# Altium PCB keyboard_main.PcbDoc (part 2 of 2)
Units mil, origin at the board's own origin, x right, y up, seen from the top; angles counter-clockwise.
Board outline 2610 x 2072.12 mil, 4 copper layers (Top Layer, GND, PWR, Bottom Layer), stack 64.646 mil thick; 116 components, 128 nets, 523 pads, 482 vias.
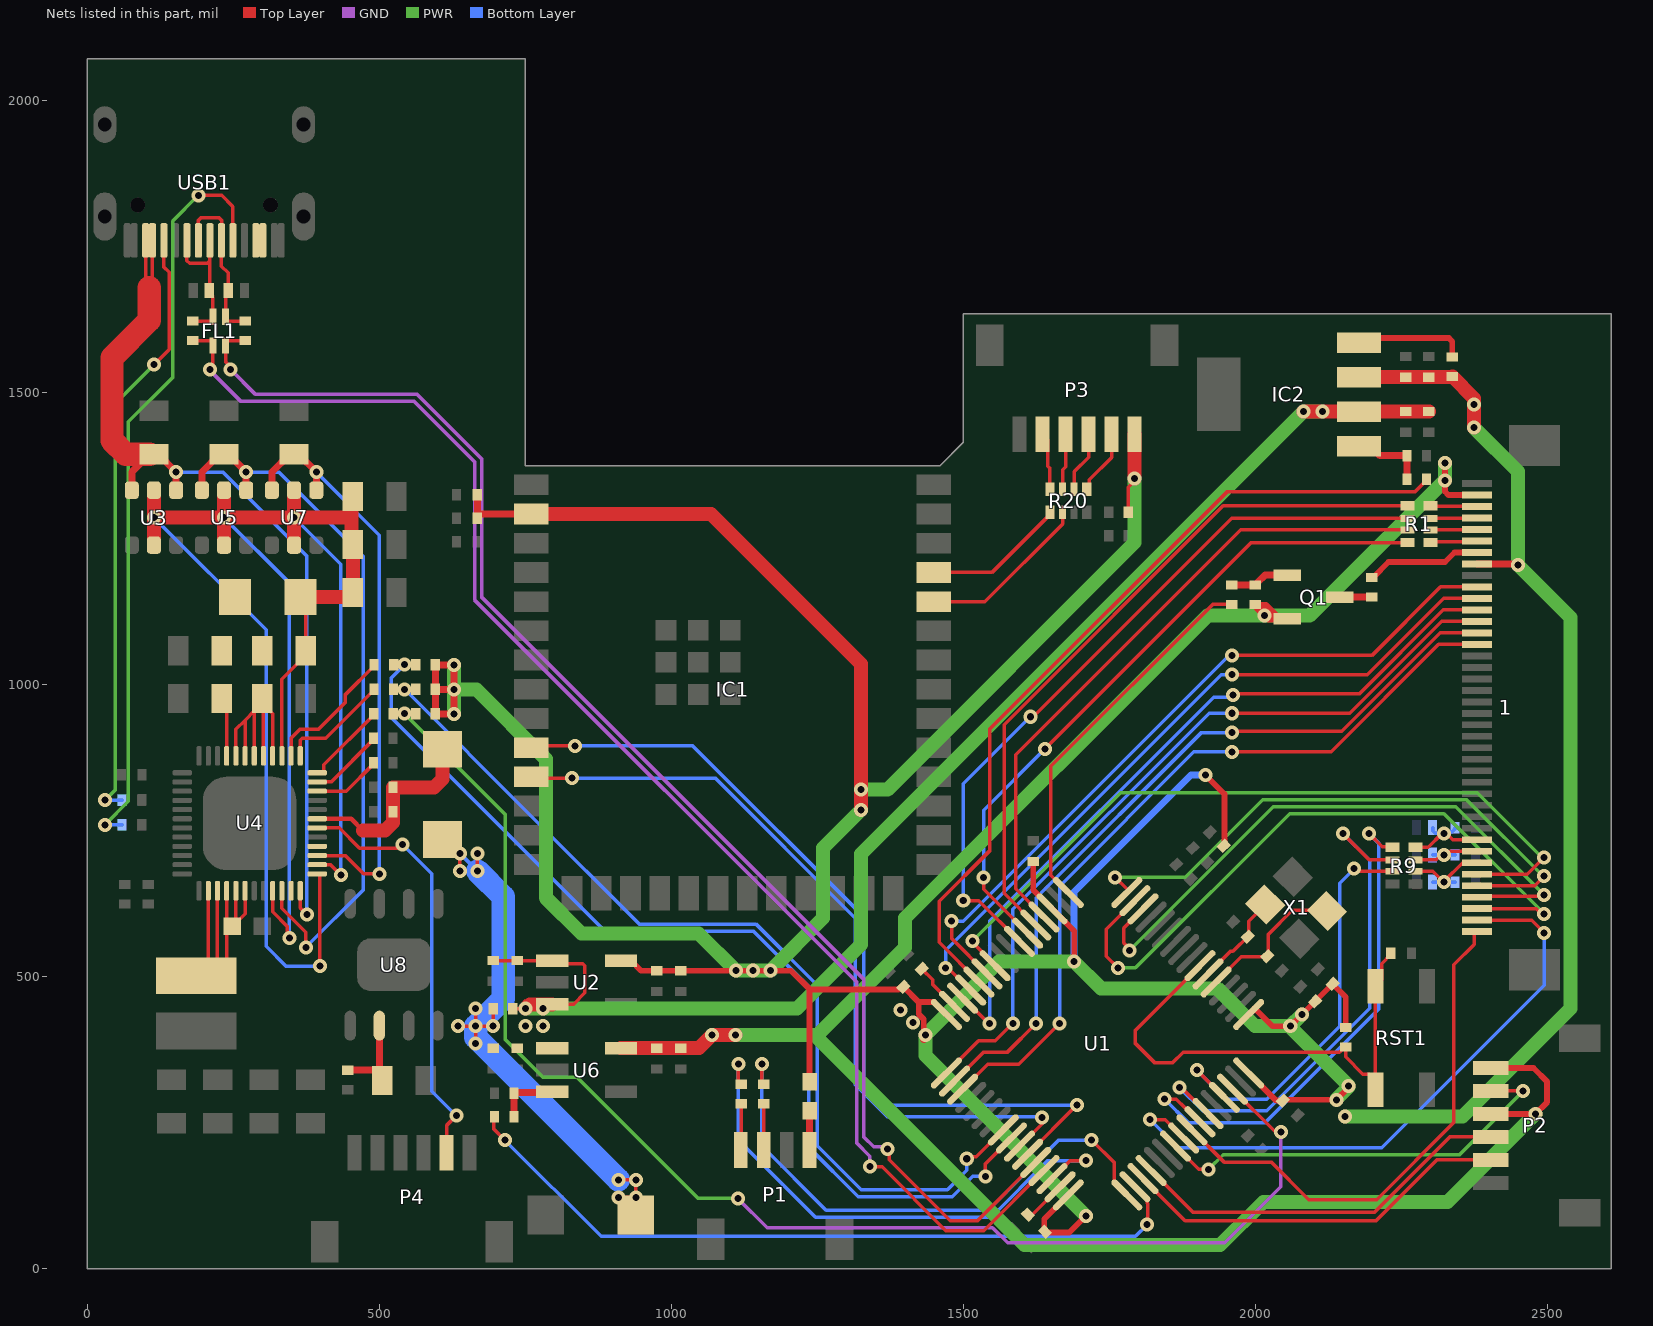
[diagram p4: the nets of this part, all layers, seen from the top]

## Via types
v1: diameter 24, hole 12, Top Layer to Bottom Layer, tented both sides, 479 vias
v2: diameter 24, hole 12, Top Layer to Bottom Layer, 3 vias

## Nets (pads, with @x,y where several pads share a name; then routed paths per layer and width w, separated by ;. In a path a pad name is that pad's centre, name@x,y a point inside that pad or via, vN(x,y) a via of type N, cw(c..) or ccw(c..) an arc to the next point about the centre after c; other vN are vias at no path point) (continued)
KEY_SEG1: 1.31 U1.27 | length 1252.7
  Top Layer w6: v1(1480,595) 1480,565.2 1540.5,504.71 U1.27@1540.7,504.71 ; v1(1960,1050) 2200,1050 2317.44,1167.44 1.31@2380,1167.44
  Bottom Layer w6: v1(1480,595) 1500,595 1948.65,1043.65 1948.78,1043.65 1955.13,1050 v1(1960,1050)
KEY_SEG2: 1.30 U1.29 | length 1248.3
  Top Layer w6: v1(1470,515) 1473.37,515 1511.5,476.87 U1.29@1512.86,476.87 ; v1(1960,1017) 2192,1017 2322.76,1147.76 1.30@2380,1147.76
  Bottom Layer w6: v1(1470,515) 1470,545 1942,1017 v1(1960,1017)
KEY_SEG3: 1.29 U1.30 | length 1294.7
  Top Layer w6: U1.30@1498.94,462.94 1500.3,462.94 1543.24,420 v1(1545,420) ; v1(1961.85,982.15) 1963.7,984 2178.09,984 2322.16,1128.07 1.29@2380,1128.07
  Bottom Layer w6: v1(1545,420) 1545,595 1928.71,978.71 1958.41,978.71 v1(1961.85,982.15)
KEY_SEG4: 1.28 U1.33 | length 1343.5
  Top Layer w6: U1.33@1471.1,334.89 1526.21,390 1555,390 v1(1585,420) ; v1(1960,951) 2162.06,951 2319.44,1108.39 1.28@2380,1108.39
  Bottom Layer w6: v1(1585,420) 1585,615 1921,951 v1(1960,951)
KEY_SEG5: 1.27 U1.34 | length 1338.9
  Top Layer w6: U1.34@1485.02,320.97 1534.05,370 1575,370 v1(1625,420) ; v1(1960,918) 1962,920 2148.03,920 2316.73,1088.7 1.27@2380,1088.7
  Bottom Layer w6: v1(1625,420) 1625,635 1908,918 v1(1960,918)
KEY_SEG6: 1.26 U1.35 | length 1334.3
  Top Layer w6: U1.35@1498.94,307.06 1541.88,350 1595,350 v1(1665,420) ; v1(1960,885) 2130,885 2314.02,1069.02 1.26@2380,1069.02
  Bottom Layer w6: v1(1665,420) 1665,655 1895,885 v1(1960,885)
LCD_BLK: R4.1 U1.17 | length 653.3
  Top Layer w6: U1.17@1679.89,643.9 1650,673.79 1650,860 1927.29,1137.29 R4.1@1960,1137.29
LCD_EN: R14.1 U1.50 | length 1299.7
  Top Layer w6: R14.1@697.29,260 696.24,258.95 696.24,238.76 v1(715,220) ; U1.50@1794.03,140.02 1815.72,118.34 1815,117.62 1815,111.73 1815.72,111.01 1815.72,75.72 v1(1815,75)
  Bottom Layer w6: v1(715,220) 880,55 1795,55 v1(1815,75)
LED1/SCL: R31.2 U4.26 | length 233.5
  Top Layer w6: U4.26@348.74,878 348.74,908.1 363.82,923.18 395.18,923.18 442,970 442,983.15 491.03,1032.18 R31.2@491.03,1034.15
LED2/SDA: R29.2 U4.25 | length 190
  Top Layer w6: U4.25@364.49,878 364.49,904.49 368,908 408,908 485.16,985.16 485.7,985.16 490.57,990.04 R29.2@490.57,992.01
LED3/IRQ: R32.2 U4.24 | length 146.9
  Top Layer w6: U4.24@393.43,849.06 403.46,849.06 404.8,850.39 404.8,862.54 490.29,948.03 R32.2@490.29,950
LED4/I2C: R24.1 U4.23 | length 128.7
  Top Layer w6: U4.23@393.43,833.32 417.29,833.32 490,906.03 R24.1@490,908
LED5/CSET: R23.1 U4.22 | length 117.8
  Top Layer w6: U4.22@393.43,817.57 443.54,817.57 490,864.03 R23.1@490,866
LED_EN: R27.1 U1.28 | length 1423.4
  Top Layer w6: U1.28@1526.78,490.78 1459,558.56 1459,629 1545,715 1545,923.35 1951.65,1330 2273.28,1330 2293.37,1350.1 R27.1@2293.37,1352.07
LEDA: 1.34 R7.1 | length 197.8
  Top Layer w10: R7.1@2200,1183.46 2201.97,1183.46 2228.5,1210 2325,1210 2341.5,1226.5 1.34@2380,1226.5
LEFT_A: 1.2 U1.56 | length 1094.5
  Top Layer w6: v1(1820,255) 1846.08,255 U1.56@1877.54,223.54 ; 1.2@2380,596.57 2473.43,596.57 v1(2495,575)
  Bottom Layer w6: v1(1820,255) 1868,207 2217,207 2495,485 v1(2495,575)
LEFT_B: 1.1 U1.57 | length 897.4
  Top Layer w6: U1.57@1891.46,237.45 1946.58,182.33 2027.67,182.33 2092,118 2208,118 2340,250 2340,520 2375,555 2375,573.98 2377.91,576.89 1.1@2380,576.89
LEFT_KEY: 1.6 U1.26 | length 1315.3
  Top Layer w6: v1(1516.22,561.22) 1516.22,558.38 1554.62,519.98 U1.26@1554.62,518.62 ; 1.6@2380,675.32 2466.08,675.32 v1(2495,704.24)
  PWR w6: v1(1516.22,561.22) 1770,815 2380,815 2490.76,704.24 v1(2495,704.24)
Net1_7: 1.7 C10.2 D3.1 R9.6 | length 166.3
  Top Layer w6: R9.6@2274.37,680.32 2304.39,680.32 v1(2323.03,661.67) 2323.03,662.74 2355.29,695 1.7@2380,695
  Bottom Layer w6: D3.1@2303.78,661.67 v1(2323.03,661.67) C10.2@2342.29,661.67
Net1_8: 1.8 C9.2 D2.1 R9.7 | length 150.2
  Top Layer w6: R9.7@2274.37,700 2309.83,700 2318.16,708.33 v1(2323.03,708.33) 2327.9,708.33 2334.26,714.68 1.8@2380,714.68
  Bottom Layer w6: D2.1@2303.78,708.33 v1(2323.03,708.33) C9.2@2342.29,708.33
Net1_9: 1.9 C8.2 D1.1 R9.8 | length 170.5
  Top Layer w6: R9.8@2274.37,721.65 2296.65,721.65 2320,745 2327.9,745 2338.53,734.37 1.9@2380,734.37
  Bottom Layer w6: D1.1@2303.78,755 2303.78,750.08 2308.65,745.2 2322.83,745.2 v1(2323.03,745) 2326.19,748.16 2337.41,748.16 2342.29,753.03 C8.2@2342.29,755
Net1_35: 1.35 R1.5 | length 81.2
  Top Layer w6: R1.5@2300,1243.35 2301.42,1244.76 2378.58,1244.76 1.35@2380,1246.18
Net1_36: 1.36 R1.6 | length 80.4
  Top Layer w6: R1.6@2300,1265 2300.43,1265.43 2379.57,1265.43 1.36@2380,1265.87
Net1_37: 1.37 R1.7 | length 80.4
  Top Layer w6: R1.7@2300,1284.68 2300.43,1285.12 2379.57,1285.12 1.37@2380,1285.55
Net1_38: 1.38 R1.8 | length 80.5
  Top Layer w6: R1.8@2300,1306.34 2300.55,1305.79 2379.45,1305.79 1.38@2380,1305.24
NetC1_1: C1.1 U1.5 X1.3 | length 262.1
  Top Layer w6: U1.5@1933.22,490.78 1976.14,533.7 2019.32,533.7 C1.1@2020.72,535.09 2022.11,536.48 2022.11,572.11 2063.65,613.65 2121.54,613.65 X1.3@2122.94,612.26
NetC2_1: C2.1 U1.6 X1.1 | length 161.7
  Top Layer w6: U1.6@1919.3,504.71 1957.7,543.1 1961.92,543.1 1988.7,569.88 1988.7,594.94 X1.1@2017.15,623.39
NetC13_2: C13.2 U1.31 | length 87.3
  Top Layer w6: C13.2@1428.99,513.08 1447.7,494.37 1447.7,486.35 U1.31@1485.02,449.03
NetC14_2: C14.2 U1.47 | length 75.3
  Top Layer w6: C14.2@1610.71,92.27 1611.02,91.96 1617.91,91.96 U1.47@1665.97,140.02
NetC50_2: C50.2 R33.2 U8.6 | length 152.8
  Top Layer w12: R33.2@446,339.71 493.22,339.71 C50.2@500,332.94 ; U8.6@500,416 C50.2@500,332.94 ; C50.2@504.72,322 504.72,328.21 C50.2@500,332.94
NetD6_1: D6.1 D7.1 R26.1 | length 1040.1
  Top Layer w6: v1(635,415) v1(665,415) ; v1(638,680.83) v1(638,710.83) ; v1(665,385) v1(665,415) ; v1(665,445) v1(665,415) ; v1(668,680.83) v1(668,710.83) ; R26.1@695,445 v1(695,415) v1(665,415) ; v1(909.17,122) v1(939.17,122) ; v1(909.17,152) v1(939.17,152) v1(939.17,122) ; D7.1@939.17,92 v1(939.17,122)
  Bottom Layer w6: v1(638,710.83) v1(668,680.83)
  Bottom Layer w40: v1(668,680.83) 712,636.83 712,462 v1(665,415) 665,396.17 v1(909.17,152)
NetF1_2: F1.2 P1.4 | length 67
  Top Layer w12: P1.4@1236.91,202.99 F1.2@1236.91,270
NetIC2_1: IC2.1 R25.2 R27.2 | length 129
  Top Layer w12: IC2.1@2177.7,1408.48 2197.39,1408.48 2213.8,1392.07 R25.2@2259.91,1392.07 R27.2@2259.91,1352.07
NetIC2_4: IC2.4 R28.1 | length 192.2
  Top Layer w10: IC2.4@2177.7,1585.65 2185.53,1593.48 2331.76,1593.48 2337.62,1587.62 R28.1@2337.62,1561.04
NetP1_1: P1.1 R2.2 | length 79.8
  Top Layer w6: P1.1@1118.8,202.99 1120,204.19 R2.2@1120,282.29
NetP1_2: P1.2 R3.2 | length 79.3
  Top Layer w6: P1.2@1158.17,202.99 R3.2@1158.17,282.29
NetP3_2: P3.2 R20.1 | length 111.5
  Top Layer w6: R20.1@1711.5,1334.69 1715.8,1338.99 1715.8,1350.8 1754.06,1389.06 P3.2@1754.06,1428.54
NetP3_3: P3.3 R20.2 | length 104.1
  Top Layer w6: R20.2@1689.84,1334.69 1690,1334.84 1690,1365 1714.68,1389.69 P3.3@1714.68,1428.54
NetP3_4: P3.4 R20.3 | length 96
  Top Layer w6: R20.3@1670.16,1334.69 1670.16,1368.23 1675.31,1373.39 P3.4@1675.31,1428.54
NetP3_5: P3.5 R20.4 | length 99.1
  Top Layer w6: P3.5@1635.94,1428.54 1644.76,1419.73 1644.76,1374.14 1648.5,1370.39 R20.4@1648.5,1334.69
NetQ1_1: Q1.1 R4.2 R6.1 | length 103
  Top Layer w12: R4.2@1960,1170.75 R6.1@2000,1170.75 2001.97,1170.75 2003.84,1172.63 2003.84,1174.59 2016.65,1187.4 Q1.1@2055,1187.4
NetQ1_3: Q1.3 R7.2 | length 55
  Top Layer w12: Q1.3@2145,1150 R7.2@2200,1150
NetR14_2: R14.2 R15.1 U6.3 | length 106.3
  Top Layer w12: R14.2@730.75,260 R15.1@730.75,300 732.05,301.3 794.65,301.3 U6.3@795.94,302.6
nRST: C3.1 R8.1 RST1.1 U1.7 | length 892.9
  Top Layer w6: U1.7@1905.38,518.62 1795,408.24 1795,385.32 1828.32,352 1858,352 1876.5,370.5 2144.29,370.5 2153.03,379.25 R8.1@2155,379.25 2155,370.81 2155,362.37 2184.43,332.95 2194.93,332.95 RST1.1@2205.71,322.17 ; RST1.1@2205.71,306.42 RST1.1@2205.71,322.17 ; C3.1@2232.28,540 2232.28,538.03 2216.49,522.24 2216.49,494.36 RST1.1@2205.71,483.58 RST1.1@2205.71,322.17
NTC: P4.5 U4.18 | length 736.1
  Top Layer w6: U4.18@393.43,754.57 431.43,754.57 466,720 534,720 v1(540,726) ; P4.5@615.06,198.46 615.06,244.9 632,261.85 v1(632,261.9)
  Bottom Layer w6: v1(540,726) 590,676 590,303.9 v1(632,261.9)
RES: R1.4 U1.22 | length 1157.4
  Top Layer w6: v1(1535,670) 1535,649.59 U1.22@1610.29,574.3 ; v1(1640,890) 1993.35,1243.35 R1.4@2260.63,1243.35
  Bottom Layer w6: v1(1535,670) 1535,785 v1(1640,890)
RS: R1.3 U1.20 | length 1127.9
  Top Layer w6: U1.20@1638.13,602.14 1590,650.27 1590,880 1975,1265 R1.3@2260.63,1265
SCL: R1.1 U1.21 | length 1211.6
  Top Layer w6: U1.21@1624.22,588.22 1570,642.44 1570,931.37 1944.96,1306.34 R1.1@2260.63,1306.34
SDA: R1.2 U1.23 | length 1274.2
  Top Layer w6: v1(1500,630) 1526.76,630 U1.23@1596.38,560.38 ; v1(1615,945) 1620,945 1959.68,1284.68 R1.2@2260.63,1284.68
  Bottom Layer w6: v1(1500,630) 1500,830 v1(1615,945)
SW: C29.2 L1.2 U4.2 U4.3 U4.4 U4.5 U4.6 | length 618.2
  Top Layer w6: U4.2@207.01,646.9 207.01,522.25 L1.2@186,501.24 L1.2@194.26,501.24 ; U4.3@222.76,646.9 222.76,529.74 L1.2@194.26,501.24 ; U4.4@238.5,646.9 238.5,529.74 210.01,501.24 L1.2@194.26,501.24 ; C29.2@248.41,586 C29.2@254.25,591.84 ; U4.5@254.25,646.9 C29.2@254.25,591.84 ; U4.6@270,646.9 270,607.59 C29.2@254.25,591.84
SW_CC1: R36.1 USB1.A5 | length 1298.7
  Top Layer w6: v1(190,1838) 230,1838 249.21,1818.79 USB1.A5@249.21,1760.79
  PWR w6: v1(30.01,760.01) 70,800 70,1450 146,1526 146,1794 v1(190,1838)
  Bottom Layer w6: v1(30.01,760.01) R36.1@59.27,760.01
SW_CC2: R37.1 USB1.B5 | length 1037.3
  Top Layer w6: v1(114,1548) 140,1574 140,1706 131.1,1714.9 USB1.B5@131.1,1760.79
  PWR w6: v1(30.01,802.01) 48,820 48,1482 v1(114,1548)
  Bottom Layer w6: v1(30.01,802.01) R37.1@59.27,802.01
SW_IRQ: R18.2 R32.1 U1.62 | length 2388
  Top Layer w6: R32.1@523.75,950 524.09,950.34 v1(543.36,950.34) ; v1@543.02,950 R18.2@562.29,950 ; U1.62@1961.06,307.06 2034.12,234 v1(2044,234)
  GND w6: v1(1114,120) 1164,70 1550,70 1576,44 1948,44 2044,140 v1(2044,234)
  PWR w6: v1(543.36,950.34) 543.36,949.67 716,777.02 716,392 780,328 838,328 1046,120 v1(1114,120)
SW_KEY_A: 1.4 U1.14 | length 1080
  Top Layer w6: v1(1785,545) 1785,547.51 1775,557.51 1775,583.12 U1.14@1807.94,616.06 ; 1.4@2380,635.94 2381.84,637.78 2493.16,637.78 v1(2495,639.62)
  PWR w6: v1(1785,545) 2031,791 2343.62,791 v1(2495,639.62)
SW_KEY_B: 1.3 U1.15 | length 1172.7
  Top Layer w6: v1(1765,515) 1745,535 1745,580.95 U1.15@1794.03,629.98 ; 1.3@2380,616.26 2481.18,616.26 2490.13,607.31 v1(2495,607.31)
  PWR w6: v1(1765,515) 1795,515 2059,779 2323.31,779 v1(2495,607.31)
SW_KEY_NET2: 1.5 U1.16 | length 1001.7
  Top Layer w6: v1(1760,670) 1781.46,648.54 1781.46,645.26 U1.16@1780.11,643.9 ; 1.5@2380,655.63 2478.7,655.63 v1(2495,671.93)
  PWR w6: v1(1760,670) 1880,670 2013,803 2362,803 2493.07,671.93 v1(2495,671.93)
SW_SCL: R17.2 R31.1 U1.41 | length 1755.3
  Top Layer w6: R31.1@524.5,1034.15 v1(543.32,1034.15) 562.14,1034.15 R17.2@562.29,1034 ; v1(1538,158) 1538,179.08 U1.41@1582.46,223.54
  Bottom Layer w6: v1(543.32,1034.15) 520,1010.83 520,944 886,578 1140.03,578 1235,483.03 1235,208.03 1320.03,123 1481,123 1516,158 v1(1538,158)
SW_SDA: R16.2 R29.1 U1.40 | length 1633.9
  Top Layer w6: R29.1@524.04,992.01 v1(543.16,992.01) R16.2@562.29,992 ; v1(1506,188) 1509.44,191.44 1522.53,191.44 U1.40@1568.54,237.45
  Bottom Layer w6: v1(543.16,992.01) 762,773.17 945.17,590 1145,590 1250,485 1250,210 1325,135 1473,135 1506,168 v1(1506,188)
SWCLK/PA14: R3.1 U1.49 | length 954.6
  Top Layer w6: v1(1155,350) 1155,318.92 R3.1@1158.17,315.75 ; v1(1720,220) 1758.42,181.58 1758.42,147.79 U1.49@1780.11,126.1
  Bottom Layer w6: v1(1155,350) 1155,210 1265,100 1543.03,100 1663.03,220 v1(1720,220)
SWDIO/PA13: R2.1 U1.46 | length 927.1
  Top Layer w6: v1(1115,350) 1115,320.63 1119.87,315.75 R2.1@1120,315.75 ; U1.46@1652.06,153.94 1683.12,185 v1(1710,185)
  Bottom Layer w6: v1(1115,350) 1115,220 1247,88 1548,88 1645,185 v1(1710,185)
TOUCH: P2.5 U1.55 | length 722.9
  Top Layer w6: U1.55@1863.62,209.62 1903.24,170 v1(1920,170) ; P2.5@2403.54,304.06 v1(2459.06,304.06)
  PWR w6: v1(1920,170) 1945,195 2350,195 v1(2459.06,304.06)
U0RXD: IC1.36 R20.6 | length 295.9
  Top Layer w6: IC1.36@1449.49,1142.09 1537.09,1142.09 1670.16,1275.16 R20.6@1670.16,1295.32
U0TXD: IC1.37 R20.5 | length 244.1
  Top Layer w6: IC1.37@1449.49,1192.09 1549.21,1192.09 1648.5,1291.38 R20.5@1648.5,1295.32
UART4_RX: P2.3 U1.52 | length 665
  Top Layer w6: U1.52@1821.87,167.86 1893.73,96 2204.03,96 2333.34,225.32 P2.3@2403.54,225.32
UART4_TX: P2.2 U1.51 | length 668.5
  Top Layer w6: U1.51@1807.94,153.94 1879.88,82 2207,82 2310.94,185.94 P2.2@2403.54,185.94
USART1_RX: IC1.10 U1.43 | length 1475.2
  Top Layer w6: IC1.10@760.51,892.09 763.43,895 v1(835,895) ; U1.43@1610.29,195.7 1694.59,280 v1(1695,280)
  Bottom Layer w6: v1(835,895) 1036.97,895 1330,601.97 1330,320 1370,280 v1(1695,280)
USART1_TX: IC1.11 U1.42 | length 1348.3
  Top Layer w6: IC1.11@760.51,842.09 762.6,840 v1(830,840) ; U1.42@1596.38,209.62 1635,248.24 v1(1635,259)
  Bottom Layer w6: v1(830,840) 1075,840 1315,600 1315,315 1370,260 1634,260 v1(1635,259)
USB_FS_N: FL1.4 R11.1 U1.44 | length 2414.6
  Top Layer w6: v1(245,1540) 245,1544.17 236.65,1552.51 236.65,1586.34 239.56,1589.25 R11.1@270,1589.25 ; v1(1370,205) 1373.44,201.56 1373.44,186.56 1478,82 1524.44,82 U1.44@1624.22,181.78
  GND w6: v1(245,1540) 287.96,1497 564.97,1497 675,1386.97 675,1150 1330,495 1330,225 1346.56,208.44 1366.56,208.44 v1(1370,205)
USB_FS_P: FL1.1 R10.1 U1.45 | length 2478
  Top Layer w6: R10.1@180,1589.25 212.09,1589.25 215,1586.34 215,1549.87 210,1544.87 v1(210,1540) ; v1(1340,175) 1341,174 1361,174 1470,65 1535.27,65 U1.45@1638.13,167.86
  GND w6: v1(210,1540) 210,1538 263,1485 560,1485 663,1382 663,1145.03 1318,490.03 1318,214.37 1339.93,192.44 1340,192.44 v1(1340,175)
USB_N: D5.1 FL1.3 R11.2 USB1.A7 USB1.B7 | length 288.9
  Top Layer w6: USB1.A7@190.16,1760.79 190.19,1795.19 195,1800 225,1800 229.66,1795.35 229.66,1760.91 USB1.B7@229.53,1760.79 229.53,1716.83 241.22,1705.13 D5.1@241.22,1675 236.65,1670.43 FL1.3@236.65,1630 236.65,1625.62 239.56,1622.71 R11.2@270,1622.71
USB_P: D4.1 FL1.2 R10.2 USB1.A6 USB1.B6 | length 286.8
  Top Layer w6: USB1.B6@170.47,1760.79 170.34,1760.66 170.34,1726.23 175,1721.57 205,1721.57 209.31,1725.89 ; R10.2@180,1622.71 212.09,1622.71 215,1625.62 FL1.2@215,1630 215,1663.86 208.78,1670.08 D4.1@208.78,1675 209.31,1675.53 209.31,1725.89 ; USB1.A6@209.84,1760.79 209.81,1726.39 209.31,1725.89 ; USB1.A6@209.84,1760.79 209.31,1760.26 209.31,1725.89
VBUS_A1: C37.2 U4.10 U5.1 U5.3 | length 1247.6
  Top Layer w6: U4.10@332.99,646.9 332.99,617.01 374,576 v1(374,550)
  Top Layer w12: U5.3@196,1333 196,1364.1 226.5,1394.6 241.5,1394.6 v1(272,1364.1) U5.1@272,1333
  Bottom Layer w6: v1(272,1364.1) 327.9,1364.1 472,1220 472,648 v1(374,550)
VBUS_A2: C42.2 U4.15 U7.1 U7.3 | length 1015.9
  Top Layer w6: U4.15@393.43,707.33 441.59,707.33 472.92,676 v1(500,676)
  Top Layer w12: U7.3@316,1333 316,1364.1 346.5,1394.6 361.5,1394.6 v1(392,1364.1) U7.1@392,1333
  Bottom Layer w6: v1(392,1364.1) 500,1256.1 v1(500,676)
VBUS_B: U4.11
VBUS_C: C24.2 U3.1 U3.3 U4.12 USB1.A4 USB1.A9 USB1.B4 USB1.B9 | length 1636
  Top Layer w6: USB1.A9@99.61,1760.79 99.61,1686.39 106,1680 111.42,1685.42 USB1.B4@111.42,1760.79 ; U4.12@364.49,646.9 364.49,617.51 v1(376,606)
  Top Layer w12: U3.3@76,1333 76,1364.1 106.5,1394.6 C24.2@114,1394.6 121.5,1394.6 v1(152,1364.1) U3.1@152,1333
  Top Layer w40: 106,1680 106,1624 42,1560 42,1418.03 65.43,1394.6 C24.2@106.5,1394.6
  Bottom Layer w6: v1(152,1364.1) 231.9,1364.1 376,1220 v1(376,606)
VBUS_L: U4.16
VCC: D6.2 R21.2 R22.2 U4.19 | length 345.7
  Top Layer w8: U4.19@393.43,770.32 451.68,770.32 472,750
  Top Layer w24: 472,750 509.41,750 523.46,764.06 R21.2@523.46,782 R22.2@523.46,824 593.94,824 608,838.06 D6.2@608,889.16
VCC3V3: C4.2 C5.2 C6.2 C7.2 C11.2 C12.2 C20.1 C21.1 C43.2 C44.2 F1.1 IC1.2 P3.1 R8.2 R12.1 R16.1 R17.1 R18.1 R19.2 U1.1 U1.19 U1.32 U1.48 U1.64 U2.5 | length 7195.7
  Top Layer w6: R19.2@1782.71,1295 1782.71,1337.84 1793.43,1348.55 v1(1793.43,1353.43)
  Top Layer w10: U2.5@914.06,527.4 930.79,527.4 948.19,510 C20.1@975,510 C21.1@1016.43,510 v1(1110.71,510) v1(1140,510) v1(1170,510) 1205,510 1236.91,478.09 ; F1.1@1236.91,320 1236.91,478.09 ; v1(1435,400.08) 1432.7,402.38 1432.35,402.73 1432.35,427.08 1423.79,435.64 1423.79,456.2 ; U1.32@1471.1,435.11 1450,456.2 1423.79,456.2 ; C5.2@1620,697.29 1620,648.12 U1.19@1652.06,616.06 1690,578.12 v1(1690,526) ; U1.48@1679.89,126.1 1638.64,84.84 1638.64,64.34 C11.2@1640.03,62.95 1641.42,61.56 1681.56,61.56 v1(1710,90) ; v1(1915,845) 1947.53,812.47 1947.53,725.26 R12.1@1946.14,723.86 ; U1.64@1988.9,334.89 2036.27,287.53 2040.63,287.53 2042.02,286.14 2046.09,286.14 C12.2@2047.48,287.53 2048.87,288.92 v1(2138.92,288.92) 2160,310 v1(2160,312.5) ; U1.1@1988.9,435.11 1998.93,445.13 1999.6,445.13 2029.73,415 v1(2060.05,415) v1(2080.16,435.11) C7.2@2102.52,457.47 C6.2@2132.52,487.47 2155,464.99 R8.2@2155,412.71 ; 1236.91,478.09 1389.07,478.09 1393.46,482.47 C4.2@1397.52,482.47 1423.79,456.2
  Top Layer w12: C44.2@667.71,1285 C44.2@667.71,1286.97 ; C43.2@667.71,1325 C44.2@667.71,1286.97 ; IC1.2@760.51,1292.09 672.83,1292.09 C44.2@667.71,1286.97 ; v1@1432.35,392.35 1432.35,394.19 1432.7,394.54 v1@1432.7,402.38 ; R16.1@595.75,992 v1(628,992) ; R16.1@595.75,992 R18.1@595.75,950 v1(628,950) v1(628,992) ; R16.1@595.75,992 R17.1@595.75,1034 v1(628,1034) v1(628,992)
  Top Layer w24: IC1.2@760.51,1292.09 1067.91,1292.09 1325,1035 v1(1325,820) v1(1325,785) ; v1(1793.43,1353.43) P3.1@1793.43,1428.54
  PWR w24: v1(628,950) v1(628,992) ; v1(628,1034) v1(628,992) ; v1(1710,90) 1435,365 v1(1435,400.08) 1560.92,526 v1(1690,526) 1736,480 1935,480 2000,415 v1(2060.05,415) ; v1(1793.43,1353.43) 1793.43,1243.43 1370,820 v1(1325,820) v1(1325,785) 1260,720 1260,600 v1(1170,510) v1(1140,510) v1(1110.71,510) 1046.71,574 846,574 785,635 785,873 666,992 v1(628,992) ; v1(2080.16,435.11) v1(2060.05,415) ; v1(2138.92,288.92) 2138.92,290.17 2160,311.25 v1(2160,312.5) 2160,313.78 2060.05,413.72 v1(2060.05,415)
  Bottom Layer w10: v1(2060.05,415) v1(2080.16,435.11) ; v1(2138.92,288.92) 2138.92,290.17 2160,311.25 v1(2160,312.5)
  Bottom Layer w12: v1(1690,526) 1690,645 1890,845 v1(1915,845)
  other v1: 1413.79,421.29 1392.57,442.51
VCC3V3_1A: 1.33 C48.1 C49.1 IC2.3 R28.2 | length 1902.5
  Top Layer w12: v1@2152.28,258.35 v1(2153.92,260) ; 1.33@2380,1206.81 2448.19,1206.81 v1(2450,1205)
  Top Layer w24: IC2.3@2177.7,1526.59 C49.1@2257.62,1526.59 C48.1@2297.62,1526.59 2336.63,1526.59 R28.2@2337.62,1527.57 2375,1490.19 v1(2375,1480) v1(2375,1440)
  PWR w24: v1(2153.92,260) 2355,260 2540,445 2540,1115 v1(2450,1205) 2450,1365 v1(2375,1440) v1(2375,1480)
VCC_BUS: C18.1 C19.1 C38.1 C39.1 C46.1 C47.1 IC2.2 R26.2 U2.1 U2.3 U6.1 | length 2436.3
  Top Layer w6: C18.1@695,527.4 C19.1@736.33,527.4 U2.1@795.94,527.4 801.35,522 848.49,522 852,518.49 852,472 832.6,452.6 U2.3@795.94,452.6 ; R26.2@728.46,445 v1(750,445)
  Top Layer w24: v1(750,445) 757.6,452.6 780,452.6 U2.3@795.94,452.6 ; v1(2082.54,1467.54) v1(2115,1467.54) IC2.2@2177.7,1467.54 C46.1@2257.63,1467.54 C47.1@2297.62,1467.54
  PWR w24: v1(750,445) v1(780,445) 1215,445 1325,555 1325,710 v1(2082.54,1467.54) v1(2115,1467.54)
  other v1: 750,415 780,415
VCC_LCD: 1.39 C40.1 C41.1 P2.4 P2.6 Q1.2 R6.2 U6.5 | length 3857.4
  Top Layer w10: v1(2325,1380) 2325,1330.78 2330.86,1324.92 1.39@2380,1324.92 ; P2.4@2403.54,264.68 v1(2479.68,264.68) 2500,285 2500,320 2476.57,343.43 P2.6@2403.54,343.43
  Top Layer w12: R6.2@2000,1137.29 2001.97,1137.29 R6.2@2003.84,1135.41 ; Q1.2@2041.22,1112.6 2018.41,1135.41 R6.2@2003.84,1135.41 ; Q1.2@2055,1112.6 2053.7,1111.3 2038.13,1111.3 2037.38,1112.05 2021.95,1112.05 2003.84,1130.16 R6.2@2003.84,1135.41
  Top Layer w24: U6.5@914.06,377.4 C40.1@975,377.4 C41.1@1016.43,377.4 1047.4,377.4 v1(1070,400) v1(1110,400)
  PWR w24: v1(1070,400) v1(1110,400) 1245,400 1605,40 1940,40 2014.21,114.21 2329.21,114.21 v1(2479.68,264.68) ; 1247.5,397.5 1400,550 1400,600 1918,1118 v1(2016,1118) 2093,1118 v1(2325,1350) v1(2325,1380)
VOUT: C30.2 C31.2 C32.2 C33.1 R13.1 U4.28 U4.29 U4.30 U4.31 U4.32 U4.33 | length 542.7
  Top Layer w6: C30.2@230,976 238.5,967.5 U4.33@238.5,878 ; U4.32@254.25,878 254.25,923.55 270,939.3 ; U4.31@270,878 270,939.3 ; U4.30@285.75,878 C31.2@285.75,955.05 ; C31.2@299.2,976 C31.2@299.2,968.5 ; U4.29@301.5,878 C31.2@301.5,966.21 ; U4.28@317.24,878 317.24,950.46 C31.2@301.5,966.21 ; 270,939.3 C31.2@285.75,955.05 ; C31.2@285.75,955.05 C31.2@299.2,968.5 ; C31.2@299.2,968.5 C31.2@301.5,966.21
VOUT_A1: C33.2 C34.2 C35.2 C36.2 R13.2 U3.2 U3.5 U4.9 U4.13 U4.14 U4.27 U5.2 U5.5 U7.2 U7.5 | length 3816.1
  Top Layer w6: U4.9@317.24,646.9 317.24,611.08 342.56,585.77 342.56,569.44 v1(346,566) ; U4.27@332.99,878 332.99,1009.5 374,1050.51 C33.2@374,1058.01 374,1141.09 R13.2@365.09,1150 ; U4.13@393.43,675.83 396.67,675.83 398,674.5 v1(398,518) ; U4.14@393.43,691.58 416.42,691.58 v1(434,674)
  Top Layer w24: U3.5@114,1239 v2(114,1286) ; U3.2@114,1333 v2(114,1286) ; U5.5@234,1239 v2(234,1286) ; U5.2@234,1333 v2(234,1286) ; U7.5@354,1239 v2(354,1286) ; U7.2@354,1333 v2(354,1286) ; R13.2@365.09,1150 449.1,1150 454.6,1155.5 C34.2@454.6,1158 C35.2@454.6,1247.5 ; C35.2@454.6,1240 452,1242.6 452,1281 ; C36.2@454.6,1322 452,1319.4 452,1281 ; v2(114,1286) v2(234,1286) ; v2(234,1286) v2(354,1286) ; v2(354,1286) 447,1286 452,1281
  Bottom Layer w6: v2(114,1286) 306,1094 306,552 340,518 v1(398,518) ; v2(234,1286) 346,1174 v1(346,566) ; v2(354,1286) 434,1206 v1(434,674)
WS2812_CTR1: R9.1 U1.58 | length 897.4
  Top Layer w6: v1(1845,290) 1865,290 1880.01,274.99 1880.41,274.99 1904.02,251.38 U1.58@1905.38,251.38 ; v1(2195,745) 2217.7,722.3 2234.36,722.3 R9.1@2235,721.65
  Bottom Layer w6: v1(1845,290) 1885,250 2016.97,250 2212,445.03 2212,728 v1(2195,745)
WS2812_CTR2: R9.2 U1.59 | length 905.4
  Top Layer w6: v1(1870.09,310.37) 1872.86,310.37 1917.94,265.29 U1.59@1919.3,265.29 ; v1(2150,745) 2195,700 R9.2@2235,700
  Bottom Layer w6: v1(1870.09,310.37) 1870.09,309.91 1910,270 2020,270 2196,446 2196,699 v1(2150,745)
WS2812_CTR3: R9.3 U1.61 | length 731.9
  Top Layer w6: v1(1900,340) 1900.14,340 1947,293.13 U1.61@1947.14,293.13 ; v1(2169,685) 2170,685 2174.68,680.32 R9.3@2235,680.32
  Bottom Layer w6: v1(1900,340) 1950,290 2020,290 2145,415 2145,660 2169,684 v1(2169,685)
pads on no net: 1.0 IC1.4 IC1.5 IC1.6 IC1.7 IC1.8 IC1.9 IC1.12 IC1.13 IC1.14 IC1.15 IC1.16 IC1.17 IC1.18 IC1.19 IC1.20 IC1.21 IC1.22 IC1.23 IC1.24 IC1.25 IC1.26 IC1.28 IC1.29 IC1.30 IC1.31 IC1.32 IC1.33 IC1.34 IC1.35 IC1.38 IC1.39 P1.MP1 P1.MP2 P2.MP1 P2.MP2 P3.MP1 P3.MP2 P4.MP1 P4.MP2 R9.4 R9.5 R34.2 R35.2 U2.4 U6.4 USB1.0 USB1.1 USB1.2 USB1.3 USB1.4 USB1.A8 USB1.B8

## Polygon pours and split planes (outlines as drawn)
GND on Top Layer "GND_L01_P031" (solid, remove dead copper, pour order 31): -94,2176 -94,-104 2692,-104 2692,2176
VBUS_C on Top Layer "VBUS_C_L01_P030" (solid, remove dead copper, pour order 30): 150,1920 92,1862 92,1732 74,1714 74,1622 98,1598 106,1598 132,1624 132,1700 116,1716 116,1802 174,1860 236,1860 282,1814 282,1736 288,1730 302,1730 306,1734 306,1872 258,1920
VCC_BUS on Top Layer "VCC_BUS_L01_P029" (solid, remove dead copper, pour order 29): 684,552 684,512 824,512 834,502 834,478 824,468 732,468 720,456 720,396 712,388 684,388 684,364 852,364 870,382 870,534 852,552
BAT+ on Top Layer "BAT+_L01_P028" (solid, remove dead copper, pour order 28): 114,440 114,310 124,300 394,300 446,248 446,168 506,168 508,166 508,264 506,264 456,314 432,314 410,336 410,362 316,362 258,420 258,442
BAT- on Top Layer "BAT-_L01_P027" (solid, remove dead copper, pour order 27): 462,392 462,448 478,464 514,464 532,446 532,377.03 552,357.03 552,302 524,274 524,168 584,168 586,166 588,168 588,272 616,300 616,526 574,568 462,568 438,544 438,392
VOUT_A1 on Top Layer "VOUT_A1_L01_P026" (solid, remove dead copper, pour order 26): 338,1182 408,1182 434,1208 434,1350 478,1350 478,1130 394,1046 394,1034 340,1034 338,1036
SW on Top Layer "SW_L01_P024" (solid, remove dead copper, pour order 24): 208,664 204,660 204,604 164,564 126,564 112,550 112,468 116,464 260,464 260,560 272,572 272,662
VOUT on Top Layer "VOUT_L01_P023" (solid, remove dead copper, pour order 23): 224,1184 208,1168 208,946 236,918 236,862 240,858 316,858 320,862 320,1088 284,1124 284,1184
VCC3V3 on Top Layer "NONET_L-01_P-001" (solid, remove dead copper, pour order 16): 885,555 885,520 905,500 1085,500 1100,485 1185,485 1220,450 1220,305 1270,305 1270,430 1380,430 1430,380 1465,380 1495,410 1410,495 1390,495 1380,485 1290,485 1215,560 890,560
VCC3V3 on PWR "NONET_L-01_P-001" (solid, remove dead copper, pour order 17): 1510,580 1370,440 1370,370 1675,65 1965,65 2205,305 2205,475 2100,580
GND on Bottom Layer "NONET_L-01_P-001" (solid, remove dead copper, pour order 19): -110,2132 -110,-100 2650,-100 2650,2132
GND on GND "NONET_L-01_P-001" (solid, remove dead copper, pour order 18): -108,2171.5 -108,-23.5 2652,-23.5 2652,2171.5

## Keep-outs
Keep-Out Layer:
  the board outline again, w6

## Other copper
Top Layer:
  rectangle net VCC3V3: 581.88,934.74 638.2,1049.85
  rectangle net NetD6_1: 574,666 682,766
  rectangle net NetD6_1: 626,366 674,460
  rectangle net NetD6_1: 626,398 710,460
  rectangle net NetD6_1: 884,54 976,176
  rectangle net VCC_LCD: 1990,1100 2085,1145
  pour cut-out: 68,1420 68,1356.55 76,1348.55 78.1,1350.65 427.78,1350.65 427.78,1375.33 382.28,1420.83 76.29,1420.83
  pour cut-out: 408,586 408,512.18 418.61,501.57 431.51,501.57 431.51,549.51 454.59,572.59 457.41,572.59
  pour cut-out: 107.41,463.41 107.41,446.46 111.92,441.95 254.44,441.95 254.44,432.74 318.69,368.49 322.2,372 428,372 428,498 423.26,502.74 387.8,502.74 387.8,510.74 363.8,534.74 293.06,464 238,464
  pour cut-out: 120,944 120,860.98 131.91,849.06 165.37,849.06 201.51,885.2 201.51,946
  pour cut-out: 119.85,738.72 113.17,732.04 113.17,583.32 126,570.49 131.51,576 168,576 168,577.18 197.51,606.69 189.09,615.1 189.09,669.59
  pour cut-out: 176.69,859.55 176.69,681.99 189.09,669.59 366.65,669.59 366.65,855.3
  pour cut-out: 48.15,671.63 48.15,610.41 119.84,610.41 119.84,671.63
  pour cut-out: 123.18,1190.32 123.18,1152.82 204,1152.82 204,1173.18 219.41,1188.59
  pour cut-out: 284,1190.49 284,1126 324,1086 324,950 334.82,939.18 348,939.18 348,1019.51 331.59,1035.92 331.59,1187
  pour cut-out: 477.16,1050 477.16,850.71 488.03,839.84 503.87,839.84 503.87,928.16 509.88,934.16 572.53,934.16 572.53,1046.99 575.38,1049.85
  pour cut-out: 62.67,1350.65 62.67,1221.35 434,1221.35 434,1350.65
  pour cut-out: 2221.1,1447.42 2355.42,1447.42 2360,1452 2360,1490 2256,1490 2230,1516
  pour cut-out: 1589.69,93.66 1641.42,41.94 1641.87,41.94 1661.49,61.56 1605,118.05 1605,125 1580,100
  pour cut-out: 1725.37,1344.66 1725.37,1231.1 1736.59,1219.88 1764.88,1219.88 1800,1255 1800,1350
  pour cut-out: 1699.34,1277.5 1668.04,1246.21 1668.04,1207.98 1677.98,1198.04 1714.75,1198.04 1758.43,1241.72 1758.43,1278.39
  pour cut-out: 653.84,1269.15 653.84,1229.16 723,1229.16 724.98,1231.14 724.98,1278.88
  pour cut-out: 2412.34,587.4 2407.4,587.4 2350,530 2350,460 2500,460 2515,475
  pour cut-out: 2350,360 2344,354 2344,234.49 2375.51,234.49 2380,230 2380,365
  pour cut-out: 1220,305 1220,167.38 1219.1,166.48 1254.72,166.48 1254.72,289.72 1270,305
  pour cut-out: 1104.15,324.45 1104.15,268.41 1174.02,268.41 1174.02,329.63
  pour cut-out: 1510.2,1619.92 1510.2,1545.25 1515.77,1539.67 1575.02,1539.67 1575.02,1622.54
  pour cut-out: 1410,330 1410,305 1455,260 1479.73,260 1500,280.27 1500,360 1477.09,382.91 1462.91,382.91
  pour cut-out: 2016.65,1199.64 2015.93,1198.92 2015.93,1110 2189.71,1110 2215.84,1136.13 2215.84,1163.87 2184.71,1195 2026.4,1195 2021.47,1199.93
  pour cut-out: 164.16,1636.59 164.16,1575.37 285.85,1575.37 285.85,1636.59
  pour cut-out: 1843.86,690.6 1921.8,768.54 1923.87,768.54 1940,752.41 1940,745 1939.57,745 1887.96,693.39 1867.53,693.39 1854.3,680.16
  pour cut-out: 1908.79,361.33 1928.86,341.26 1928.86,331.33 1951.33,331.33 1995,375 2155.36,375 2169.13,361.23 2200,392.1 2200,490 2185,505 2115,435 1982.47,435
  pour cut-out: 2185,1240 2185,1198.18 2208.03,1221.22 2320.35,1221.22 2320.35,1228.29 2327.66,1235.59
  pour cut-out: 2134.3,1609.36 2134.3,1384.76 2141.6,1392.07 2213.8,1392.07 2213.8,1397 2221.1,1404.3 2221.1,1609.36
  pour cut-out: 1944.16,1123.41 2011.43,1123.41 2015,1126.98 2015,1260 1980,1260 1965,1245
  pour cut-out: 1944.16,1190.69 1944.16,1171.94 1944.16,1123.41 2011.43,1123.41 2016.65,1128.63 2016.65,1199.64
  pour cut-out: 1600,885 1600,795 1605,790 1610,795 1645,795 1645,882.02 1657.46,894.48
  pour cut-out: 1706.74,70 1803.26,70 1753.26,120 1753.26,155
  pour cut-out: 1833.35,75 1874.89,75 1832.62,117.27 1831.63,117.27
  pour cut-out: 1475,385 1490.65,369.35 1490.65,367.42 1499.53,367.42 1536.28,404.18 1521.77,418.69 1521.77,441.47
PWR:
  rectangle net VCC_BUS: 736,396 796,464
Bottom Layer:
  rectangle net NetD6_1: 888,100 968,172
  rectangle net NetD6_1: 614,362 714,460
  rectangle net NetD6_1: 622,661.55 690.87,730
  rectangle net Net1_7: 2295,648.33 2355,673.33
  rectangle net Net1_8: 2295,695 2355,720
  rectangle net Net1_9: 2295,735 2350,770
  pour cut-out: 2290.41,774.59 2292.51,772.49 2292.51,644 2365,644 2365,775
  pour cut-out: 1900,340 1850,290 1845,290 1885,250 2016.97,250 2016.97,286.97 2020,290 1950,290

## Silkscreen, mask and mechanical layers (free items; w line width, h text height)
Top Overlay:
  text "ESP32S3_ISP" at 1569.11,1142 h50 r90
  text "LLQ-82" at 1620,874.62 h200
  text "JLCJLCJLCJLC" at 865,750.64 h60
  text "FPC40" at 2350,425.64 h60
  text "SWD" at 1310,120.64 h60
  text "TOUCH" at 2350,30.64 h60
Bottom Overlay:
  text "|KEYBOARD|" at 2071.24,1207.64 h200
  text "Version-0.0.7" at 2071.24,1018.71 h160
  text "|Design By SEASKY|" at 2071.24,850.21 h160
  text "2021/12/09" at 2071.24,637.12 h200
  text "| LLQ-82 |" at 2071.24,437.62 h200
Mechanical 1:
  circle w6: c658.11,1875.28 r62.99
  circle w6: c2472.2,1532.2 r62.99
  circle w6: c137.8,137.8 r62.99
  lines w6: 0,0 2610,0 2610,1635 1500,1635 1500,1415 1460,1375 750,1375 750,2072.12 0,2072.12 0,0